# Altium PCB IndoorPositioning PCB v1.2.PcbDoc
Units mm, origin at the board's own origin, x right, y up, seen from the top; angles counter-clockwise.
Board outline 48.13 x 31.12 mm, 2 copper layers (Top Layer, Bottom Layer); 61 components, 57 nets, 273 pads, 117 vias.
Unrouted connection lines stored in the file: 138.
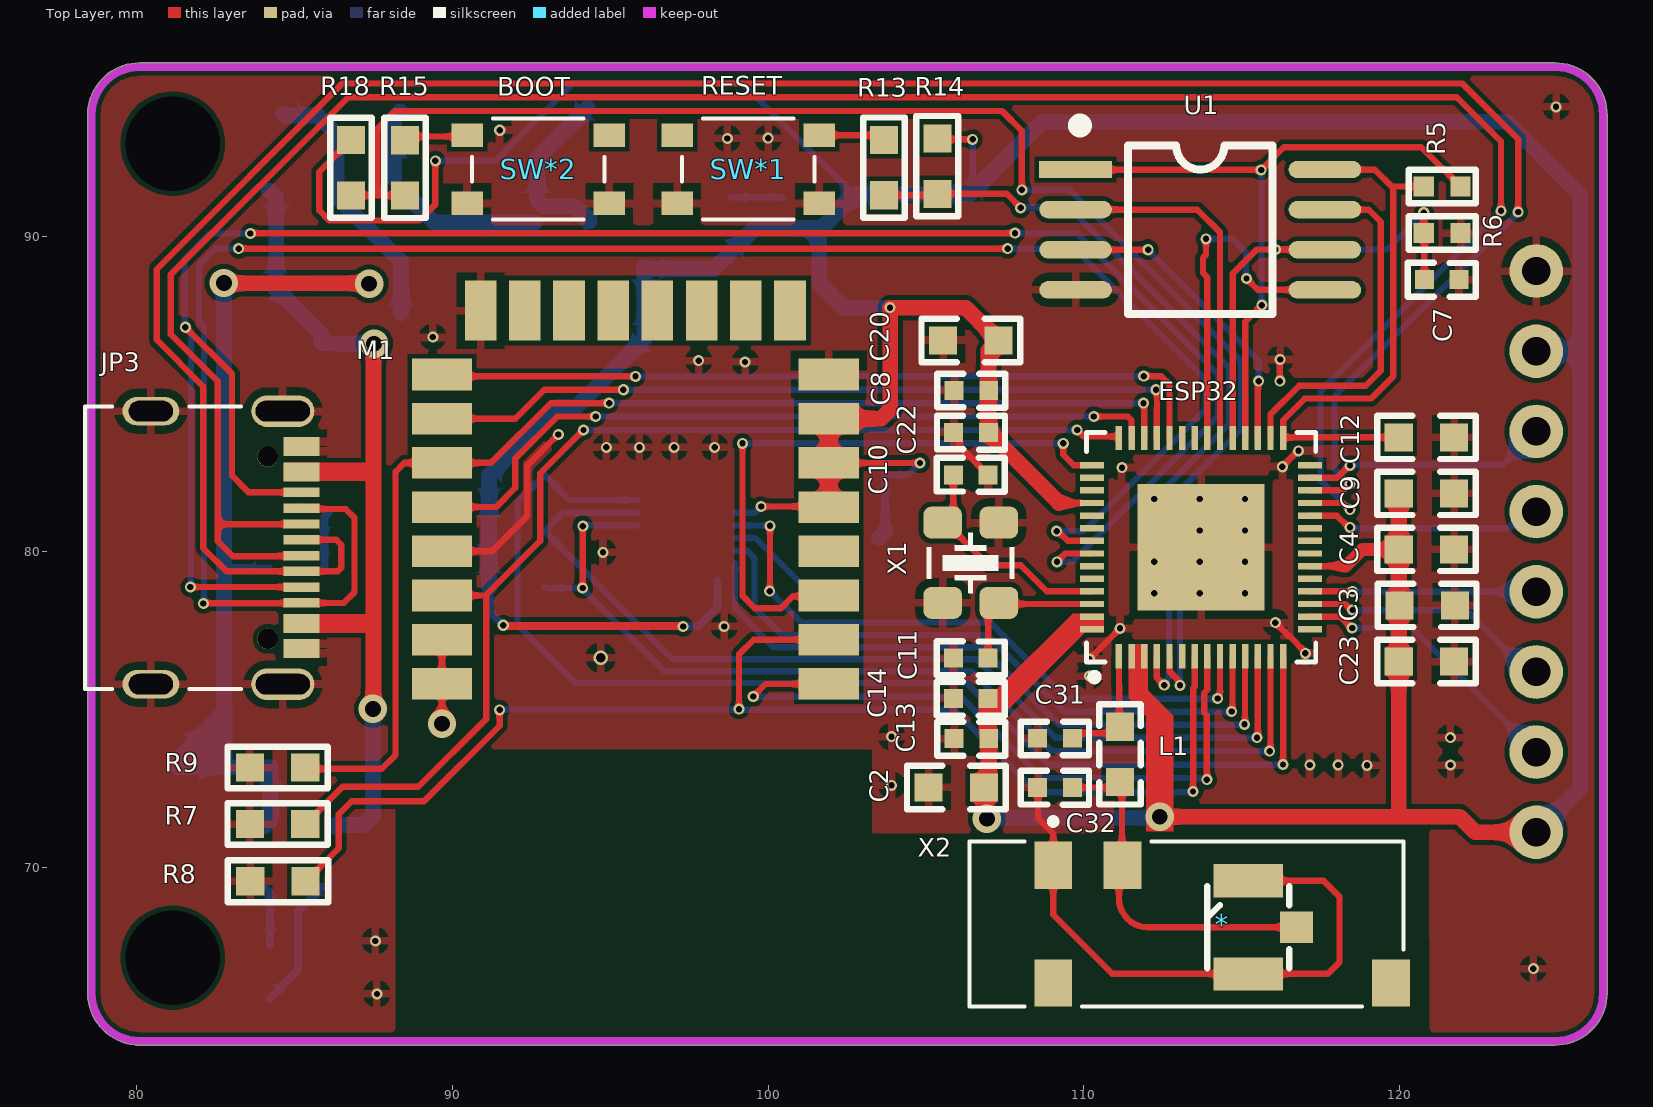
[diagram p0: Top Layer view]
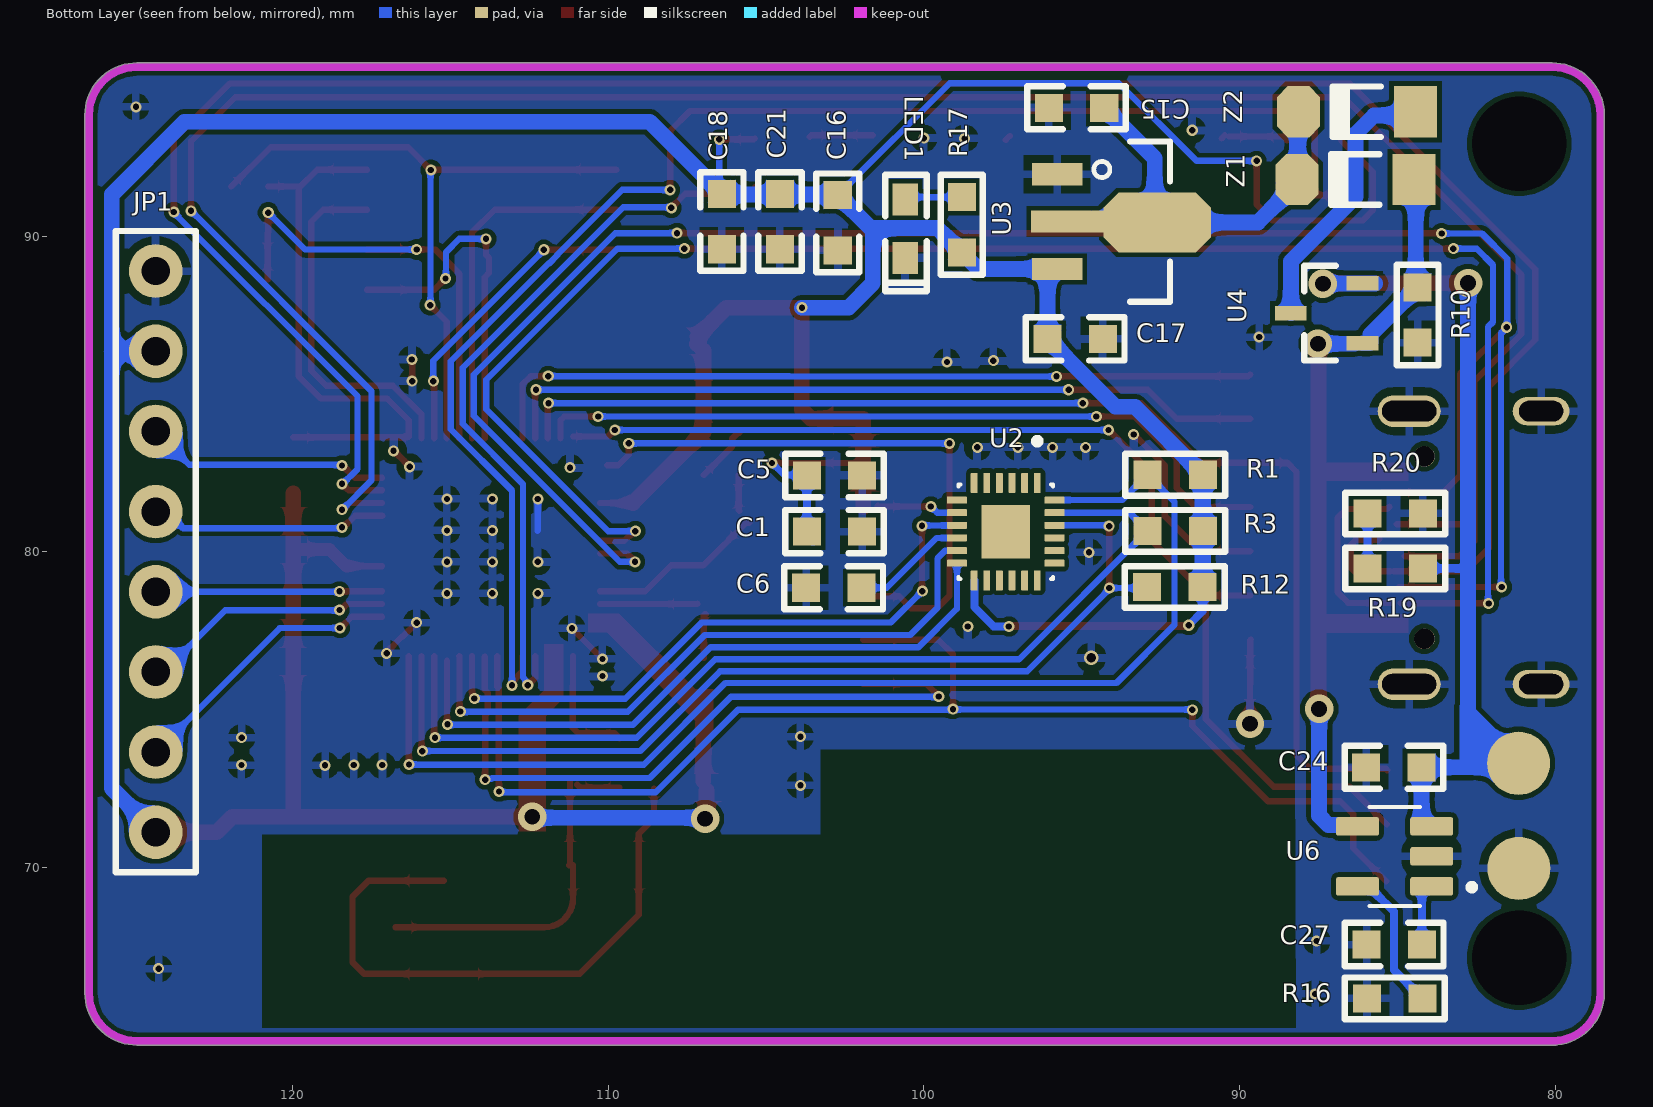
[diagram p1: Bottom Layer view, seen from below]

## Layer stack, top to bottom
Top Solder: solder mask 0.0102, Solder Resist, Dk 3.5
Top Layer: signal copper 0.0356
Dielectric 1: dielectric 0.32, FR-4, Dk 4.8
Bottom Layer: signal copper 0.0356
Bottom Solder: solder mask 0.0102, Solder Resist, Dk 3.5

## Board outline
78.454,65.855 ccw(c80.096,66.03) 79.922,64.388 79.969,64.378 124.927,64.378 ccw(c124.927,66.03) 126.579,66.03 126.579,93.843 ccw(c124.927,93.843) 124.927,95.494 80.096,95.494 ccw(c80.096,93.843) 78.445,93.843

## Design rules (kind name [scope] priority, off if disabled: settings)
Clearance [All] p1: gap=0.15 ignorepadtopadclearanceinfootprint=FALSE
ComponentClearance [All] p1 off: gap=0.254 collisioncheckmode=3 verticalgap=0.254 showdistances=FALSE
PolygonConnect PolygonConnect_2 [All vs IsNamedPolygon('GND_L01_P001') Or IsNamedPolygon('GND_L01_P001')] p1: connectstyle=Relief reliefconductorwidth=0.254 reliefentries=4 polygonreliefangle="90 Angle" airgapwidth=0.254
PolygonConnect PolygonConnect_1 [All vs IsNamedPolygon('GND_L01_P001') Or IsNamedPolygon('GND_L01_P001')] p2: connectstyle=Relief reliefconductorwidth=0.254 reliefentries=4 polygonreliefangle="90 Angle" airgapwidth=0.254
PolygonConnect [All] p3: connectstyle=Relief reliefconductorwidth=0.254 reliefentries=4 polygonreliefangle="90 Angle" airgapwidth=0.254
RoutingVias [All] p1: holewidth=0.2 width=0.35 viastyle="Through Hole" minholewidth=0.2 minwidth=0.35 maxholewidth=0.5 maxwidth=0.9
SolderMaskExpansion [All] p1: expansion=0.102 istentingtop=FALSE
Width [All] p1: maxlimit=1 minlimit=0.2 preferedwidth=0.254
29 further rules are at their usual default settings.

## Components (designator, comment, footprint, x,y, rotation, side; value= is the part's Value field where it differs from the comment)
* "PRO-OB-440" PRO-OB-440 113.435,68.366 r90 top
C1 "0.1uF" "C 0603" 102.845,80.645 r0 bottom
C2 "10uF" "C 0603" 105.95,72.54 r180 top
C3 "0.1uF" "C 0603" 120.866,78.31 r180 top
C4 "0.1uF" "C 0603" 120.866,80.083 r0 top
C5 "10nF" "C 0603" 102.845,82.423 r0 bottom
C6 "0.1uF" "C 0603" 102.845,78.867 r180 bottom
C7 "1uf" "C 0402" 121.34,88.63 r180 top
C8 "0.1uF" "C 0402" 106.44,85.12 r180 top
C9 "0.1uF" "C 0603" 120.841,81.857 r180 top
C10 "=Value" "C 0402" 106.42,82.44 r0 top
C11 "=Value" "C 0402" 106.42,76.64 r180 top
C12 "10uF" "C 0603" 120.841,83.63 r180 top
C13 "1uf" "C 0402" 106.44,74.09 r180 top
C14 "10nF" "C 0402" 106.42,75.36 r180 top
C15 "1uF" "C 0603" 95.15,94.07 r180 bottom
C16 "1uF" "C 0603" 102.73,90.44 r90 bottom
C17 "1uF" "C 0603" 95.22,86.75 r0 bottom
C18 "1uF" "C 0603" 104.56,90.48 r90 bottom
C20 "10uF" "C 0603" 106.41,86.7 r180 top
C21 "1uF" "C 0603" 106.4,90.48 r90 bottom
C22 "0.1uF" "C 0402" 106.43,83.79 r180 top
C23 "1uF" "C 0603" 120.866,76.53 r0 top
C24 "1uF" "C 0603" 85.1,73.18 r180 bottom
C27 "1uF" "C 0603" 85.09,67.564 r180 bottom
C31 "=Value" "C 0402" 109.09,74.1 r180 top (schematic designator C?)
C32 "=Value" "C 0402" 109.09,72.54 r180 top (schematic designator C?)
ESP32 "U?" "ESP32-S3 CHIP" 113.816,80.431 r90 top (schematic designator ESP1)
JP1 "HDR-1X8" HDR-1X8_M 124.333,71.12 r90 bottom
JP3 "USB-C" USB-C-RIGHT 81.28,80.391 r270 top
L1 "?uH" "L 0603" 111.15,73.6 r90 top (schematic designator L?)
LED1 "LED-SMD" "LED 0603R" 100.59,90.24 r270 bottom
M1 "DWM1000" DWM1000 96.226,76.327 r180 top
R1 "10K" "R 0603" 92.052,82.448 r0 bottom
R3 "10K" "R 0603" 92.052,80.67 r0 bottom
R5 "10K" "R 0402" 121.352,91.57 r0 top
R6 "10K" "R 0402" 121.357,90.11 r180 top
R7 "10K" "R 0603" 84.45,71.38 r180 top
R8 "10K" "R 0603" 84.46,69.57 r180 top
R9 "10K" "R 0603" 84.45,73.17 r180 top
R10 "10K" "R 0603" 84.36,87.52 r90 bottom
R12 "10K" "R 0603" 92.065,78.892 r0 bottom
R13 "1K" "R 0603-HP" 103.67,92.19 r90 top
R14 "10K" "R 0603-HP" 105.36,92.21 r270 top
R15 "1K" "R 0603-HP" 88.5,92.18 r90 top
R16 "1.65K" "R 0603" 85.1,65.86 r0 bottom
R17 "1K" "R 0603-HP" 98.8,90.376 r90 bottom
R18 "10K" "R 0603-HP" 86.79,92.16 r270 top
R19 "10K" "R 0603" 85.055,79.48 r180 bottom
R20 "10K" "R 0603" 85.08,81.22 r0 bottom
SW*1 "3x3x1.5" "TSW SMD-3*3" 99.37,92 r0 top
SW*2 "3x3x1.5" "TSW SMD-3*3" 92.72,91.998 r0 top
U1 "W25Qxx" SOP8W_N 113.689,90.21 r0 top
U2 "MPU9250" QFN40P300X 97.739,80.696 r270 bottom
U3 "RT9166A" SOT89_M 93.728,90.465 r270 bottom
U4 "IRLML6402" SOT23-3L 87.25,87.563 r90 bottom
U6 "LTC4054" SOT25-5L 85.09,70.358 r0 bottom
X1 "40M" XTAL-3225-4 106.42,79.66 r90 top
X2 "u.Fl" "u.Fl 3P" 115.213,68.112 r90 top
Z1 "US1NWF-7" DO-213AA 86.33,91.8 r0 bottom
Z2 "US1NWF-7" DO-213AA 86.28,93.945 r0 bottom

## Footprints (in the part's own frame and the unit in brackets; to place one, negate y for a bottom-side part, rotate by r counter-clockwise, add the part's x,y. Pads: shape width x height; smd on the part's side, far side on the other; paste and mask are expansions set on the pad)
"C 0402" [mm] "ï¿½Þ¼ï¿½ï¿½ï¿½ï¿½ï¿½Æ¬ï¿½ï¿½ï¿½ï¿½"
  rect 0.6x0.6 smd: 1(-0.55,0) 2(0.55,0)
  silkscreen extent -1.08,-0.53 1.08,0.55, body extent -0.5,-0.26 0.5,0.26, height 0.51
"C 0603" [mil] "ï؟½ق¼ï؟½ï؟½ï؟½ï؟½ï؟½ئ¬ï؟½ï؟½ï؟½ï؟½"
  rect 35x35 smd: 1(-35,0) 2(34,0)
  silkscreen extent -62,-27 61,27, body extent -31,-16 31,16, height 32
DO-213AA [mm] "1.5*3.5mm(Ö±¾¶£¬½Å¾à£©"
  rect 1.37x1.62 smd: 1(-1.855,0)
  oct 1.37x1.62 smd: 2(1.855,0)
  silkscreen extent -0.76,-0.8 0.78,0.8, body extent -1.75,-0.75 1.75,0.75, height 1.53
DWM1000 [mm]
  rect 1.905x1 smd: 1(-5.696,0.505) 2(-5.696,-0.895) 3(-5.696,-2.295) 4(-5.696,-3.695) 5(-5.696,-5.095) 6(-5.696,-6.495) 7(-5.696,-7.895) 8(-5.696,-9.295) 17(6.559,-9.295) 18(6.559,-7.895) 19(6.559,-6.495) 20(6.559,-5.095) 21(6.559,-3.695) 22(6.559,-2.295) 23(6.559,-0.895) 24(6.559,0.505)
  rect 1x1.905 smd: 9(-4.468,-11.318) 10(-3.068,-11.318) 11(-1.668,-11.318) 12(-0.268,-11.318) 13(1.132,-11.318) 14(2.532,-11.318) 15(3.932,-11.318) 16(5.332,-11.318)
  body extent -6.19,-11.89 7.01,11.11, height 2.9
"ESP32-S3 CHIP" [mil]
  rect 30x8 smd paste+0 mask+0: 1(-147,106.36) 2(-147,90.61) 3(-147,74.87) 4(-147,59.12) 5(-147,43.37) 6(-147,27.62) 7(-147,11.87) 8(-147,-3.87) 9(-147,-19.62) 10(-147,-35.37) 11(-147,-51.12) 12(-147,-66.87) 13(-147,-82.61) 14(-147,-98.36) 29(125,-98.36) 30(125,-82.61) 31(125,-66.87) 32(125,-51.12) 33(125,-35.37) 34(125,-19.62) 35(125,-3.87) 36(125,11.87) 37(125,27.62) 38(125,43.37) 39(125,59.12) 40(125,74.87) 41(125,90.61) 42(125,106.36)
  rect 8x30 smd paste+0 mask+0: 15(-113.36,-132) 16(-97.61,-132) 17(-81.87,-132) 18(-66.12,-132) 19(-50.37,-132) 20(-34.62,-132) 21(-18.87,-132) 22(-3.13,-132) 23(12.62,-132) 24(28.37,-132) 25(44.12,-132) 26(59.87,-132) 27(75.61,-132) 28(91.36,-132) 43(91.36,140) 44(75.61,140) 45(59.87,140) 46(44.12,140) 47(28.37,140) 48(12.62,140) 49(-3.13,140) 50(-18.87,140) 51(-34.62,140) 52(-50.37,140) 53(-66.12,140) 54(-81.87,140) 55(-97.61,140) 56(-113.36,140)
  rect 158x158 smd paste-78.5 mask+0: 57(-11,4)
  silkscreen extent -177,-139 132,147, body extent -150,-135 128,143, height 35
HDR-1X8_M [mm] "ï؟½ï؟½ؤ¸ï؟½ï؟½8ï؟½ï؟½"
  round 1.7 hole 0.9: 1(0,0) 2(2.54,0) 3(5.08,0) 4(7.62,0) 5(10.16,0) 6(12.7,0) 7(15.24,0) 8(17.78,0)
  silkscreen extent -1.27,-1.27 19.05,1.27, body extent -1.27,-1.27 19.05,1.27, height 8.5
"L 0603" [mil] "Ð¡¹¦ÂÊÌùÆ¬µç¸Ð"
  rect 35x35 smd: 1(-35,0) 2(34,0)
  silkscreen extent -63,-26 62,26, body extent -31,-16 31,16, height 31
"LED 0603R" [mm] "ï؟½ï؟½ة«0603LED"
  rect 1.016x0.8 smd: 1(-0.927,0) 2(0.927,0)
  silkscreen extent -1.71,-0.63 1.98,0.69, body extent -0.8,-0.4 0.8,0.4, height 0.61
PRO-OB-440 [mm]
  rect 1.5x1.2 smd: 1(1.713,4.403) 2(1.713,2.203) 3(-2.017,4.403) 4(-2.017,-6.297)
  Multi-Layer pour cut-out: -3.317,5.528 -3.317,3.278 -0.717,3.278 -0.717,5.528
  Multi-Layer pour cut-out: 0.663,3.103 0.663,1.303 2.763,1.303 2.763,3.103
  Multi-Layer pour cut-out: -3.417,-5.072 -3.417,-7.522 -0.617,-7.522 -0.617,-5.072
  silkscreen extent -2.77,-6.7 3.2,7.05, body extent -2.77,-6.7 2.46,7.05, height 3.53
QFN40P300X [mm]
  rrect25% 0.64x0.22 smd: 1(-1.494,1.33) 2(-1.494,0.93) 3(-1.494,0.53) 4(-1.494,0.13) 5(-1.494,-0.27) 6(-1.494,-0.67) 13(1.596,-0.67) 14(1.596,-0.27) 15(1.596,0.13) 16(1.596,0.53) 17(1.596,0.93) 18(1.596,1.33)
  rrect25% 0.22x0.64 smd: 7(-0.949,-1.215) 8(-0.549,-1.215) 9(-0.149,-1.215) 10(0.251,-1.215) 11(0.651,-1.215) 12(1.051,-1.215) 19(1.051,1.875) 20(0.651,1.875) 21(0.251,1.875) 22(-0.149,1.875) 23(-0.549,1.875) 24(-0.949,1.875)
  rect 1.7x1.54 smd paste-2: 25(0.051,0.33)
  silkscreen extent -2.91,-1.17 1.55,1.83, body extent -1.45,-1.17 1.55,1.83, height 1
"R 0402" [mm] "1/16Wï¿½ï¿½Æ¬ï¿½ï¿½ï¿½ï¿½"
  rect 0.635x0.635 smd: 1(-0.582,0.007) 2(0.587,0.007)
  silkscreen extent -1.06,-0.53 1.06,0.54, body extent -0.5,-0.24 0.5,0.26, height 0.3
"R 0603" [mil] "1/10Wï¿½ï¿½Æ¬ï¿½ï¿½ï¿½ï¿½"
  rect 35x35 smd: 1(-35,0) 2(34,0)
  silkscreen extent -63,-26 62,26, body extent -31,-16 31,16, height 16
"R 0603-HP" [mil] "1/10Wï¿½ß¾ï¿½ï¿½ï¿½ï¿½ï¿½Æ¬ï¿½ï¿½ï¿½ï¿½"
  rect 35x35 smd: 1(-35,0) 2(34,0)
  silkscreen extent -63,-26 62,26, body extent -31,-16 32,16, height 16
SOP8W_N [mm] "5.3*8.3*1.8mm£¨³¤؟ي¸ك£©"
  rect 2.3x0.55 smd: 1(-3.95,1.905)
  oval 2.3x0.55 smd: 2(-3.95,0.635) 3(-3.95,-0.635) 4(-3.95,-1.905) 5(3.95,-1.905) 6(3.95,-0.635) 7(3.95,0.635) 8(3.95,1.905)
  silkscreen extent -3.94,-2.67 2.29,3.43, body extent -3.94,-2.64 3.94,2.64, height 1.9
SOT23-3L [mm] "3x1.3x1mm(ï¿½ï¿½ï¿½ï¿½ï¿½)"
  rect 0.45x1 smd: 1(-0.95,-1.143) 2(0.95,-1.143) 3(0,1.125)
  silkscreen extent -1.5,-0.3 1.5,0.7, body extent -1.5,-1.2 1.5,1.2, height 1.05
SOT25-5L [mm]
  rrect25% 1.36x0.59 smd: 1(-1.175,0.95) 2(-1.175,0) 3(-1.175,-0.95) 4(1.175,-0.95) 5(1.175,0.95)
  silkscreen extent -2.54,-1.57 0.8,1.57, body extent -1.4,-1.45 1.4,1.45, height 1.45
SOT89_M [mm] "4.6x4.3x1.6mm(ï¿½ï¿½ï¿½ï¿½ï¿½)"
  rect 0.7x1.6 smd: 1(-1.5,-2.054) 3(1.5,-2.054)
  rect 0.7x2.4 smd: 2(0,-1.676)
  oct 1.9x3.4 smd: 2(0.025,1.118)
  silkscreen extent -2.54,-0.89 2.54,1.52, body extent -2.3,-2.4 2.3,1.9, height 1.6
"TSW SMD-3*3" [mm]
  rect 1x0.75 smd: 1(-2.25,-0.948) 1(2.25,-0.948) 2(-2.25,1.202) 2(2.25,1.202)
  silkscreen extent -2.1,-1.47 2.1,1.73, body extent -2.25,-1.47 2.25,1.73, height 2.5
"u.Fl 3P" [mm]
  rect 1.05x2.2 smd: G(-1.475,0) G(1.475,0)
  rect 1x1.05 smd: S(0,-1.525)
  silkscreen extent -1.3,-1.3 1.3,1.3, body extent -1.5,-1.55 1.5,1.55, height 1.23
USB-C-RIGHT [mm]
  rect 0.3x1.14 smd: A1(-3.096,3.937) A4(-2.296,3.937) A5(-0.996,3.937) A6(0.004,3.937) A7(0.504,3.937) A8(1.504,3.937) A9(2.804,3.937) A12(3.604,3.937) B1(3.304,3.937) B4(2.504,3.937) B5(2.004,3.937) B6(1.004,3.937) B7(-0.496,3.937) B8(-1.496,3.937) B9(-1.996,3.937) B12(-2.796,3.937)
  oval 1x2 hole 0.65 slot 1.72 at 90 deg: S1(-4.071,3.347) S2(4.579,3.347)
  oval 0.9x1.8 hole 0.65 slot 1.4 at 90 deg: S3(-4.071,-0.833) S4(4.579,-0.833)
  round 0.65 hole 0.65 unplated: ""(-2.636,2.867) ""(3.144,2.867)
  silkscreen extent -4.22,-2.92 4.72,2.03, body extent -4.22,-3.36 4.72,4.39, height 3.26
XTAL-3225-4 [mil]
  rrect50% 40x48 smd: 1(-50,-35) 2(50,-35) 3(50,35) 4(-50,35)
  silkscreen extent -38,-54 38,54, body extent -63,-49 63,49, height 41

## Part data
C1 C2 C3 C4 C5 C6 C7 C8 C9 C10 C11 C12 C13 C14 C15 C16 C17 C18 C20 C21 C22 C23 C24 C27 C31 C32: library part C, "Non-polar patch capacitor", BOM名称=无极性贴片电容, 学习资源=www.ooocke.com, 版权归属=源创客
ESP32: library part "ESP32-S3 CHIP"
JP1: library part "Header 8", "8P Connector", BOM名称=8P接插件, 学习资源=www.ooocke.com, 版权归属=源创客
JP3: library part USB-C-RIGHT
L1: library part L, "Low power chip inductor", BOM名称=小功率贴片电感, 学习资源=www.ooocke.com, 版权归属=源创客
LED1: "Patch LED", BOM名称=贴片LED, 学习资源=www.ooocke.com, 版权归属=源创客
R1 R3 R5 R6 R7 R8 R9 R10 R12 R13 R14 R15 R16 R17 R18 R19 R20: library part R, "Chip resistor", BOM名称="Chip resistor", 学习资源=www.ooocke.com, 版权归属=源创客
SW*1 SW*2: library part "TSW 3x3", "3x3 tact switch"
U1: "External flash", BOM名称=外置Flash, 学习资源=www.ooocke.com, 版权归属=源创客
U3: library part RT9166A-33GXL
U4: "P-Channel"
U6: "Battery Charger", Type=SOT23-5
X1: library part XTAL-4, "4-Pin crystal", BOM名称=4脚晶振, 学习资源=www.ooocke.com, 版权归属=源创客
X2: library part "u.Fl 3P", "RF", Manufacturer="Hirose Electric Co Ltd", Model=U.FL-R-SMT(01)
Z1 Z2: library part 1N4106, "12V/0.5W voltage regulator", BOM名称=12V/0.5W稳压管, 学习资源=www.ooocke.com, 版权归属=源创客

## Free pads (board coordinates)
  round 1.524 hole 3: 7(81.139,67.149) 7(81.139,92.93)
  round 2 smd far side: 8(81.153,69.977) 8(81.163,73.307)

## Via types
v1: diameter 0.35, hole 0.2, Top Layer to Bottom Layer, tented both sides, 109 vias
v2: diameter 0.9, hole 0.5, Top Layer to Bottom Layer, tented both sides, 7 vias
v3: diameter 0.45, hole 0.3, Top Layer to Bottom Layer, tented both sides, 1 vias

## Nets (pads, with @x,y where several pads share a name; then routed paths per layer and width w, separated by ;. In a path a pad name is that pad's centre, name@x,y a point inside that pad or via, vN(x,y) a via of type N, cw(c..) or ccw(c..) an arc to the next point about the centre after c; other vN are vias at no path point)
3.3V: C1.2 C2.1 C3.2 C4.1 C5.2 C8.1 C9.2 C13.1 C14.1 C16.2 C17.2 C18.2 C20.1 C21.2 C22.1 C23.1 ESP32.2 ESP32.3 ESP32.20 ESP32.46 ESP32.55 ESP32.56 JP1.1 JP1.7 M1.5 M1.6 M1.7 R1.1 R3.1 R12.1 R14.1 R17.1 R18.1 U2.8 U2.13 U3.3 | length 168.9
  Top Layer w0.2: R18.1 85.78,92.039 85.78,90.82 86.1,90.5 88.952,90.5 89.46,91.008 v1(89.46,92.39) ; v1(91.61,77.68) v1@91.63,77.66 ; v1@97.29,77.66 v1(97.31,77.64) ; v1(99.78,81.44) 101.44,81.44 M1.5@101.46,81.46 ; M1.6@102.11,82.91 102.2,82.82 v1(104.81,82.82) ; R14.1 105.389,93.07 v1(106.48,93.07) ; C14.1@106.927,75.317 C14.1 ; 109.218,81.552 ESP32.46 ; ESP32.56 ESP32.55 ; ESP32.20 118.302,79.552
  Top Layer w0.254: v1@91.63,77.66 v1@97.29,77.66
  Top Layer w0.4: 118.302,79.552 118.83,80.08 C4.1@119.96,80.08
  Top Layer w0.5: M1.5 M1.6 ; M1.6@101.922,82.91 M1.7@101.922,84.108 ; M1.7 103.577,84.222 103.87,84.515 103.87,87.73 v1(103.86,87.74) 106.259,87.74 C20.1@107.179,86.82 ; C2.1@106.88,72.45 106.884,72.446 106.884,71.596 v2(106.93,71.55) ; C13.1@106.97,74.09 C14.1 ; C2.1@106.99,72.735 C13.1 ; C20.1@107.189,86.59 106.98,86.381 C22.1 109.218,81.552 ; v2(112.41,71.61) 121.91,71.61 122.4,71.12 JP1.1 ; C23.1 119.977,71.743 120.06,71.66 ; C23.1@119.977,76.583 C9.2
  Bottom Layer w0.2: v1(89.46,92.39) 91.364,92.39 93.824,94.85 99.184,94.85 102.614,91.42 C16.2@102.65,91.42 ; R12.1@91.17,78.68 R12.1@91.22,78.73 ; U2.13@98.404,79.095 U2.13 ; U2.8 99.574,81.245 99.769,81.44 v1(99.78,81.44) ; C5.2 103.726,82.44 104.43,82.44 v1(104.81,82.82) ; v1(106.48,93.07) 106.48,91.44 106.488,91.432 C21.2@106.49,91.43
  Bottom Layer w0.254: R12.1@91.17,78.68 91.17,78.12 v1(91.61,77.68) ; v1(97.31,77.64) 97.79,77.64 98.404,78.255 U2.13@98.404,79.095 ; C1.2@103.709,80.701 C5.2
  Bottom Layer w0.5: R12.1 91.163,78.904 R1.1 93.314,84.599 93.932,84.599 C17.2@95.954,86.62 ; U3.3@96.06,89.01 96.084,88.986 U3.3@96.084,88.965 ; C17.2 U3.3@96.084,88.965 ; R17.1@98.691,89.379 98.278,88.965 U3.3@96.084,88.965 ; R17.1@98.71,89.36 98.71,89.397 R17.1 99.572,90.259 101.62,90.259 ; C16.2 101.685,90.259 101.62,90.259 ; C16.2@102.75,91.324 C21.2@106.206,91.324 ; C1.2@103.514,80.45 C1.2 ; C1.2@103.709,80.701 C1.2@103.71,80.7 ; v1(103.86,87.74) 102.39,87.74 101.62,88.51 101.62,90.259 ; C21.2 108.686,93.63 123.42,93.63 125.73,91.32 125.73,86.36 ; v2(106.93,71.55) 106.96,71.58 112.38,71.58 v2(112.41,71.61) ; JP1.7 125.73,86.36 ; JP1.1@124.58,71.02 124.58,71.367 125.73,72.517 125.73,86.36
5VUSB: JP3.A4 JP3.A9 JP3.B4 JP3.B9 R10.2 U4.1 U6.4 Z1.1 | length 23.3
  Top Layer w0.5: v2(87.48,75.03) 87.5,75.05 87.5,86.58 v2(87.52,86.6)
  Bottom Layer w0.5: Z1.1@84.17,91.44 84.217,91.44 84.417,91.24 84.417,88.441 R10.2 85.857,86.886 85.857,86.638 85.882,86.613 U4.1 ; U6.4 86.31,71.353 87.187,71.353 87.48,71.646 v2(87.48,75.03) ; U4.1@86.357,86.6 v2(87.52,86.6)
BAT_ADC: R19.1 R20.2 | length 1.8
  Bottom Layer w0.254: R19.1 85.944,81.104 R20.2@86.09,81.25
DIS_CLK: ESP32.27 JP1.6 | length 7.8
  Top Layer w0.2: ESP32.27 118.022,82.352 118.41,82.74 v1(118.431,82.74)
  Bottom Layer w0.2: v1@118.422,82.76 123.273,82.76 JP1.6
DIS_CS: ESP32.16 JP1.2 | length 9
  Top Layer w0.2: ESP32.16 117.17,77.95 118.119,77.95 118.479,77.59 v1(118.5,77.59)
  Bottom Layer w0.2: v1@118.476,77.59 120.403,77.59 JP1.2
DIS_DATA: ESP32.24 JP1.5 | length 7.5
  Top Layer w0.2: ESP32.24@117.151,81.152 118.019,81.152 118.391,80.78 v1(118.431,80.78)
  Bottom Layer w0.2: v1@118.5,80.751 123.466,80.751 123.995,81.28 JP1.5
DIS_DC: ESP32.17 JP1.3 | length 8.1
  Top Layer w0.2: ESP32.17 118.278,78.352 118.469,78.16 v1(118.51,78.16)
  Bottom Layer w0.2: v1@118.503,78.15 122.129,78.15 124.079,76.2 JP1.3
DIS_RES: ESP32.18 JP1.4 | length 7.1
  Top Layer w0.2: ESP32.18 v1(118.515,78.752)
  Bottom Layer w0.2: v1@118.623,78.74 JP1.4
DWM_CLK: ESP32.41 M1.20 | length 24.2
  Top Layer w0.2: M1.20 91.382,81.422 91.99,82.03 91.99,82.96 93.32,84.29 v1(94.536,84.29) ; v1(110.32,84.29) 111.397,84.29 111.514,84.173 ESP32.41
  Bottom Layer w0.2: v1(94.536,84.29) v1(110.32,84.29)
DWM_CS: ESP32.38 M1.17 | length 24.9
  Top Layer w0.2: M1.17 89.724,85.565 v1(95.8,85.565) ; v1(111.9,85.57) 112.46,85.57 112.714,85.316 ESP32.38
  Bottom Layer w0.2: v1(95.8,85.565) 95.864,85.565 95.869,85.56 104.252,85.56 104.262,85.57 v1(111.9,85.57)
DWM_EXTON: ESP32.8 M1.1 | length 22
  Top Layer w0.2: v1(99.53,75.425) 99.925,75.82 101.919,75.82 M1.1 ; v1(113.9,72.79) 113.9,74.83 113.815,74.915 113.815,75.536 113.913,75.634 ESP32.8@113.913,76.69
  Bottom Layer w0.2: v1(99.53,75.425) 99.545,75.41 106.11,75.41 108.68,72.84 113.676,72.84 113.697,72.819 113.871,72.819 v1(113.9,72.79)
DWM_IO0: M1.15
DWM_IO1: M1.14
DWM_IO2: M1.13
DWM_IO3: M1.12
DWM_IO4: M1.11
DWM_IO5: M1.10
DWM_IO6: M1.9
DWM_IO7: M1.4
DWM_IRQ: ESP32.42 M1.22 R7.1 | length 36
  Top Layer w0.2: R7.1 86.519,72.56 88.92,72.56 91.07,74.71 91.07,78.64 92.78,80.35 92.78,82.495 v1(94.15,83.865) ; M1.22 91.055,78.622 ; v1(109.79,83.865) 109.995,83.66 ESP32.42@111.116,83.66
  Bottom Layer w0.2: v1(94.15,83.865) v1(109.79,83.865)
DWM_MISO: ESP32.40 M1.19 R9.1 | length 37.8
  Top Layer w0.2: R9.1@85.32,73.09 85.36,73.13 87.76,73.13 88.2,73.57 88.2,82.54 88.482,82.822 M1.19 91.222,82.822 93.115,84.715 v1(94.965,84.715) ; v1(111.893,84.715) 111.914,84.693 ESP32.40
  Bottom Layer w0.2: v1(94.965,84.715) v1(111.893,84.715)
DWM_MOSI: ESP32.39 M1.18 | length 24.5
  Top Layer w0.2: M1.18 91.992,84.222 92.91,85.14 v1(95.415,85.14) ; v1(112.289,85.14) 112.318,85.112 112.318,84.539 112.314,84.536 ESP32.39
  Bottom Layer w0.2: v1(95.415,85.14) v1(112.289,85.14)
DWM_RSTN: ESP32.43 M1.3 | length 19.2
  Top Layer w0.2: v1(99.19,83.44) 99.19,78.61 99.58,78.22 100.41,78.22 100.786,78.596 101.896,78.596 M1.3 ; v1(109.35,83.44) 109.35,83.08 109.68,82.75 ESP32.43@110.03,82.75
  Bottom Layer w0.2: v1(99.19,83.44) v1(109.35,83.44)
DWM_WAKEUP: ESP32.7 M1.2 R8.1 | length 41.5
  Top Layer w0.2: R8.1 86.4,70.621 86.4,71.69 86.81,72.1 89.1,72.1 91.495,74.495 v1(91.495,75) ; v1(99.08,75.02) 99.08,76.76 99.542,77.222 M1.2 ; v1(113.46,72.415) 113.465,72.42 113.465,75.681 113.514,75.73 ESP32.7
  Bottom Layer w0.2: v1(91.495,75) 91.505,75.01 99.07,75.01 v1(99.08,75.02) 99.1,75 105.89,75 108.5,72.39 113.435,72.39 v1(113.46,72.415)
ESP_EN: ESP32.4 R13.1 R14.2 | length 25.3
  Top Layer w0.2: R13.1 105.101,91.301 R14.2@105.351,91.551 ; R14.2 107.563,91.346 108,90.909 v1(108,90.9) ; ESP32.4 112.314,76.016 112.549,75.781 v1(112.549,75.779)
  Bottom Layer w0.2: v1(108,90.9) 108.02,90.92 109.529,90.92 114.61,85.839 114.61,84.06 112.699,82.149 112.699,76.026 112.624,75.951 112.624,75.895 112.549,75.82 v1(112.549,75.779)
ESP_IO0: ESP32.5 R15.1 R18.2 | length 47.9
  Top Layer w0.2: R18.2 87.62,91.296 ; R15.1@88.454,91.296 87.62,91.296 ; v1(108.04,91.47) 108.04,93.34 107.41,93.97 88.184,93.97 87.62,93.406 87.62,91.296 ; ESP32.5 112.716,76.696 112.716,76.214 113.021,75.909 113.021,75.804 v1(113.049,75.775)
  Bottom Layer w0.2: v1(108.04,91.47) 109.559,91.47 111.613,89.416 111.613,89.399 111.862,89.15 111.879,89.15 114.99,86.039 114.99,83.89 113.049,81.949 v1(113.049,75.775)
ESP_RXD: ESP32.50 JP3.A8 JP3.B8 | length 66.2
  Top Layer w0.2: v1(81.54,87.12) 83.02,85.64 83.02,82.41 83.54,81.89 JP3.B8@85.46,81.89 ; v1(81.7,78.89) 81.701,78.889 JP3.A8@84.939,78.889 ; v1(83.6,90.09) 83.61,90.09 83.62,90.1 v1(107.82,90.1) ; v1(109.15,79.69) 109.412,79.952 ESP32.50
  Bottom Layer w0.2: v1@81.52,87.123 81.52,89.29 82.32,90.09 v1(83.6,90.09) ; v1(81.54,87.12) 81.54,87.108 81.72,86.928 81.72,78.91 v1(81.7,78.89) ; v1(107.82,90.1) 109.779,90.1 114.26,85.619 114.26,84.32 109.63,79.69 v1(109.15,79.69)
ESP_TXD: ESP32.49 JP3.A5 JP3.B5 | length 61.9
  Top Layer w0.2: v1(82.11,78.37) 82.119,78.379 84.885,78.379 JP3.B5@84.893,78.387 ; v1(83.23,89.61) v1(107.59,89.61) ; JP3.B5 86.557,78.387 86.9,78.73 86.9,81.08 86.62,81.36 85.32,81.36 JP3.A5@85.25,81.43 ; v1(109.14,80.66) 109.181,80.66 109.489,80.352 ESP32.49
  Bottom Layer w0.2: v1(82.11,78.37) 82.13,78.39 82.13,87.13 81.973,87.287 81.973,89.093 82.49,89.61 v1(83.23,89.61) ; v1(107.59,89.61) 109.709,89.61 113.86,85.459 113.86,84.52 110,80.66 v1(109.14,80.66)
GND: *.1 C1.1 C2.2 C3.1 C4.2 C5.1 C6.1 C7.1 C8.2 C9.1 C10.2 C11.2 C12.1 C13.2 C14.2 C15.1 C16.1 C17.1 C18.1 C20.2 C21.1 C22.2 C23.2 C24.1 C27.1 C31.2 C32.2 ESP32.57 JP1.8 JP3.A1 JP3.A12 JP3.B1 JP3.B12 JP3.S1 JP3.S2 JP3.S3 JP3.S4 LED1.2 M1.8 M1.16 M1.21 M1.23 M1.24 pad.8@81.153,69.977 R6.1 R7.2 R8.2 R9.2 R10.1 R16.2 R20.1 SW*1.1 SW*2.1 U1.4 U3.1 U6.2 X1.2 X1.4 X2.G | length 35.3
  Top Layer w0.2: M1.23@89.64,77.23 89.667,77.203 M1.24 89.67,75.819 v2(89.67,74.56) ; M1.21 91.252,80.022 92.37,81.14 92.37,82.739 v1(93.356,83.724) ; C22.2@105.85,83.78 105.89,83.78 106.08,83.59 106.08,83.33 C10.2 ; C32.2@108.55,72.5 108.55,71.56 109.032,71.078 109.032,68.508 110.903,66.637 115.213,66.637 117.737,66.637 118.1,67 118.1,69.08 117.593,69.587 X2.G@115.213,69.587 ; v1(110.184,76.611) v1(110.184,76.611) v1(111.15,77.58) v1(111.15,77.58) ; v1@116.088,77.76 v1(116.07,77.76) 116.502,77.328 116.52,77.328 117.02,76.828 v1(117.02,76.79) ; v1(116.21,85.41) v1@116.21,86.17 ; v1(116.29,82.7) 116.281,82.7 116.786,83.205 v1(116.8,83.205) ; 116.898,76.95 116.91,76.95
  Bottom Layer w0.2: v1(112.23,81.68) 112.23,80.68 112.24,80.67
  other v1: 87.61,66 124.24,66.8 87.56,67.68 103.91,72.61 118.97,73.24 117.16,73.25 118.06,73.25 121.62,73.25 121.61,74.12 103.91,74.15 110.184,76.071 98.61,77.64 112.23,78.69 113.67,78.69 115.11,78.69 112.23,79.687 113.67,79.687 115.11,79.687 94.77,79.99 113.67,80.683 115.11,80.683 113.67,81.68 115.11,81.68 111.21,82.67 94.876,83.314 95.926,83.314 97.026,83.314 98.306,83.314 99.27,86.02 97.8,86.06 116.22,86.1 89.38,86.81 98.71,93.1 100,93.11 91.5,93.36 124.96,94.1
  other v3: 94.7,76.65
LNA: C31.1 ESP32.1 L1.2 | length 3.9
  Top Layer w0.2: C31.1 109.8,74.26 110.947,74.26 L1.2 111.124,74.489 111.124,75.764 111.114,75.775 ESP32.1
MPU_AD0: ESP32.9 U2.9 | length 20.2
  Top Layer w0.2: v1(100.05,78.76) 100.06,78.77 v1(100.06,80.83) ; v1(114.24,75.36) 114.24,75.401 114.314,75.475 ESP32.9
  Bottom Layer w0.2: U2.9 98.962,80.837 100.053,80.837 v1(100.06,80.83) ; v1(100.05,78.76) 101.045,77.765 107.042,77.765 109.457,75.35 114.23,75.35 v1(114.24,75.36)
MPU_CS: ESP32.13 R12.2 U2.22 | length 31.9
  Top Layer w0.2: v1(94.127,78.857) v1@94.127,80.82 ; v1(115.889,73.69) 115.914,73.715 ESP32.13
  Bottom Layer w0.2: R12.2 92.963,78.857 v1(94.127,78.857) ; v1@94.061,78.889 96.73,76.22 106.457,76.22 108.982,73.695 115.884,73.695 v1(115.889,73.69) ; v1(94.13,80.82) 94.155,80.845 U2.22
MPU_FSYNC: ESP32.10 U2.11 | length 20.5
  Top Layer w0.2: v1(114.685,74.95) 114.713,74.978 114.713,76.696 ESP32.10
  Bottom Layer w0.2: U2.11 98.964,80.035 99.331,80.035 99.57,79.796 99.57,78.23 100.43,77.37 106.942,77.37 109.377,74.935 114.67,74.935 v1(114.685,74.95)
MPU_INT: ESP32.11 U2.12 | length 21.1
  Top Layer w0.2: v1(115.089,74.54) 115.11,74.561 ESP32.11@115.11,76.56
  Bottom Layer w0.2: U2.12 98.954,78.196 100.17,76.98 106.76,76.98 109.215,74.525 115.074,74.525 v1(115.089,74.54)
Net*_2: *.2 C32.1 L1.1 X2.S | length 11.2
  Top Layer w0.2: C32.1 110.89,72.54 L1.1@110.98,72.63 ; *.2@111.114,70.079 111.114,69.029 ccw(c112.031,69.029) 112.031,68.112 X2.S ; L1.1@111.21,72.72 111.21,70.101 *.2
NetC6_2: C6.2 U2.10 | length 3.7
  Bottom Layer w0.2: U2.10 99.597,80.445 101.175,78.867 C6.2
NetC10_1: C10.1 ESP32.53 X1.3 | length 6.8
  Top Layer w0.2: X1.3 105.633,80.93 106.983,79.58 108,79.58 108.828,78.752 ESP32.53 ; X1.3@105.84,81.31 105.854,81.31 105.87,81.326 C10.1
NetC11_1: C11.1 ESP32.54 X1.1 | length 4.5
  Top Layer w0.2: X1.1@106.91,78.03 106.934,78.03 106.97,77.994 C11.1 ; X1.1@107.17,78.36 107.177,78.353 110.258,78.353 ESP32.54
NetC27_2: C27.2 U6.1 | length 2
  Bottom Layer w0.2: U6.1 84.031,69.408 U6.1@84.226,69.213
  Bottom Layer w0.254: C27.2 U6.1@84.226,69.213
NetLED1_1: LED1.1 R17.2 | length 1.7
  Bottom Layer w0.2: R17.2 100.45,91.24 LED1.1@100.48,91.21
NetR13_2: R13.2 SW*1.2 | length 2.2
  Top Layer w0.2: SW*1.2@97.28,93.18 SW*1.2@97.406,93.054 ; SW*1.2@101.62,93.202 103.568,93.202 R13.2@103.62,93.15
NetR15_2: R15.2 SW*2.2 | length 2
  Top Layer w0.2: R15.2 88.616,93.16 SW*2.2@90.33,93.16 ; SW*2.2@90.47,93.2 SW*2.2@90.57,93.1
NetR16_1: R16.1 U6.5 | length 4.2
  Bottom Layer w0.254: R16.1 85.11,66.759 85.11,68.61 85.685,69.185 85.685,69.213 85.862,69.39 U6.5@85.89,69.39
NetU4_3: U4.3 Z2.1 | length 8.5
  Bottom Layer w0.5: Z2.1@84.63,93.88 84.68,93.83 85.74,93.83 86.33,93.24 86.33,91.25 88.375,89.205 U4.3
REGIN: C15.2 U3.2 Z1.2 Z2.2 | length 12.5
  Bottom Layer w0.5: Z1.2@88.16,91.825 88.16,93.78 Z2.2@88.34,93.96 ; Z1.2@88.3,91.48 88.38,91.48 89.42,90.44 U3.2@92.61,90.44 ; C15.2 92.69,92.474 92.69,91.14 92.875,90.955 93.875,90.955 U3.2@94.35,90.48
SCL: ESP32.12 R3.2 U2.23 | length 31
  Top Layer w0.2: v1(115.489,74.12) 115.514,74.145 ESP32.12
  Bottom Layer w0.2: R3.2 96.985,76.6 106.607,76.6 109.092,74.115 115.484,74.115 v1(115.489,74.12) ; R3.2@93.03,80.67 93.03,80.784 93.491,81.245 U2.23
SDA: ESP32.14 R1.2 U2.24 | length 37.9
  Top Layer w0.2: v1(116.31,73.27) 116.314,73.274 ESP32.14
  Bottom Layer w0.2: U2.24 93.718,81.645 R1.2 92.06,81.592 92.06,77.69 93.9,75.85 106.287,75.85 108.872,73.265 116.305,73.265 v1(116.31,73.27)
SPICLK: C7.2 ESP32.33 R6.2 U1.6 | length 15.8
  Top Layer w0.2: ESP32.33 114.714,88.822 115.472,89.58 v1(116.07,89.58) 116.073,89.577 117.636,89.577 U1.6 ; R6.2@120.77,90.13 v1(120.77,90.75) ; R6.2@120.78,90.13 120.79,90.12 C7.2
  Bottom Layer w0.2: v1(116.07,89.58) 119.6,89.58 v1(120.77,90.75)
SPICS0: ESP32.32 R5.2 U1.1 | length 21.7
  Top Layer w0.2: U1.1 109.747,92.108 v1@115.612,92.108 ; ESP32.32 115.114,87.294 v1(115.64,87.82) ; v1(115.62,92.1) 116.34,92.82 120.695,92.82 R5.2
  Bottom Layer w0.2: v1(115.62,92.1) 115.63,92.09 115.63,87.83 v1(115.64,87.82)
SPID: ESP32.35 U1.5 | length 11.3
  Top Layer w0.2: v1(113.87,89.92) 113.87,89.409 113.776,89.316 113.776,88.846 113.914,88.708 ESP32.35 ; v1(115.157,88.663) 115.515,88.305 U1.5
  Bottom Layer w0.2: v1(113.87,89.92) 114.72,89.92 115.139,89.501 115.139,88.681 v1(115.157,88.663)
SPIHD: ESP32.30 U1.7 | length 11.5
  Top Layer w0.2: ESP32.30 115.914,84.364 116.82,85.27 118.93,85.27 119.404,85.744 119.404,90.464 119.028,90.84 117.644,90.84 U1.7
SPIQ: ESP32.34 U1.2 | length 11.4
  Top Layer w0.2: U1.2 113.595,90.845 114.314,90.126 ESP32.34
SPIWP: ESP32.31 U1.3 | length 9.7
  Top Layer w0.2: U1.3 v1(112.038,89.575) ; ESP32.31 115.516,83.608 115.516,85.385 v1(115.541,85.41)
  Bottom Layer w0.2: v1@112.03,89.57 115.541,86.059 v1(115.541,85.41)
USB_D+: ESP32.26 JP3.A6 JP3.B6 | length 77
  Top Layer w0.2: JP3.B6@85.117,79.387 82.843,79.387 82.11,80.12 82.11,85.24 80.63,86.72 80.63,88.96 86.51,94.84 121.99,94.84 123.76,93.07 v1(123.76,90.77) ; JP3.B6 86.363,79.387 86.48,79.504 86.48,80.233 86.326,80.387 85.593,80.387 JP3.A6@85.58,80.4 ; ESP32.26 118.223,81.952 v1(118.431,82.159)
  Bottom Layer w0.2: v1(118.431,82.159) 118.41,82.159 117.94,82.629 117.94,84.93 123.76,90.75 v1(123.76,90.77)
USB_D-: ESP32.25 JP3.A7 JP3.B7 | length 74.7
  Top Layer w0.2: JP3.A7@84.77,79.87 83.04,79.87 82.57,80.34 82.57,80.88 ; JP3.B7@85.02,80.88 82.57,80.88 ; ESP32.25 118.199,81.552 v1@118.41,81.341 ; v1(123.214,90.806) 123.214,93.016 121.82,94.41 86.7,94.41 81.08,88.79 81.08,86.9 82.57,85.41 82.57,80.88
  Bottom Layer w0.2: v1(118.431,81.341) 117.5,82.272 117.5,85.091 v1(123.214,90.806)
Vbat: C24.2 pad.8@81.163,73.307 R19.2 U4.2 U6.3 | length 28.5
  Top Layer w0.5: v2(82.76,88.52) 82.77,88.51 87.35,88.51 v2(87.36,88.5)
  Bottom Layer w0.254: 82.76,79.48 R19.2
  Bottom Layer w0.5: pad.8@81.21,73.354 82.76,74.904 82.76,79.48 v2(82.76,88.52) ; pad.8@81.29,73.18 C24.2 84.236,71.503 84.041,71.308 U6.3 ; U4.2@85.7,88.507 87.353,88.507 v2(87.36,88.5)
VDD_SPI: C12.2 ESP32.29 R5.1 U1.8 | length 17.5
  Top Layer w0.2: ESP32.29@116.316,83.65 116.316,84.176 117,84.86 119.1,84.86 119.8,85.56 119.8,91.53 ; ESP32.29@116.34,83.65 116.36,83.63 C12.2 ; U1.8@117.639,92.11 119.22,92.11 119.78,91.55 ; 119.8,91.57 119.807,91.577 R5.1
pads on no net: *.3 *.4 ESP32.6 ESP32.15 ESP32.19 ESP32.21 ESP32.22 ESP32.23 ESP32.28 ESP32.36 ESP32.37 ESP32.44 ESP32.45 ESP32.47 ESP32.48 ESP32.51 ESP32.52 JP3. U2.1 U2.2 U2.3 U2.4 U2.5 U2.6 U2.7 U2.14 U2.15 U2.16 U2.17 U2.18 U2.19 U2.20 U2.21 U2.25

## Polygon pours and split planes (outlines as drawn)
GND on Top Layer "GND_L01_P001" (solid, remove dead copper, pour order 1): 78.454,65.855 ccw(c80.096,66.03) 79.922,64.388 79.969,64.378 124.927,64.378 ccw(c124.927,66.03) 126.579,66.03 126.579,93.843 ccw(c124.927,93.843) 124.927,95.494 80.096,95.494 ccw(c80.096,93.843) 78.445,93.843
GND on Bottom Layer "GND_L01_P001" (solid, remove dead copper, pour order 2): 78.454,65.855 ccw(c80.096,66.03) 79.922,64.388 79.969,64.378 124.927,64.378 ccw(c124.927,66.03) 126.579,66.03 126.579,93.843 ccw(c124.927,93.843) 124.927,95.494 80.096,95.494 ccw(c80.096,93.843) 78.445,93.843

## Keep-outs
Keep-Out Layer:
  lines w0.254: 78.572,65.903 78.572,93.843 cw(c80.096,93.843) 80.096,95.367 124.927,95.367 cw(c124.927,93.843) 126.451,93.843 126.451,66.03 cw(c124.927,66.03) 124.927,64.506 79.969,64.506 ; 78.572,66.03 ccw(c80.096,66.03) 80.096,64.506

## Other copper
Top Layer:
  rectangle net 5VUSB: 84.65,82.25 87.36,82.83
  rectangle net 5VUSB: 84.65,77.44 87.37,78.03
  region net 3.3V: 109.26,81.85 109.84,81.61 109.84,81.45 109.26,81.31 109.22,81.31
  region net 3.3V: 111.42,77.08 111.42,75.36 111.98,74.8 111.98,71.15 112.82,71.15 112.83,71.14 112.83,74.81 112.02,75.62 112.02,77.08
  region net 3.3V: 110.64,78.05 109.65,78.05 107.25,75.65 106.67,75.65 106.67,74.22 106.74,74.15 110.04,77.45 110.64,77.45
  pour cut-out: 120.95,71.09 103.31,71.09 103.31,64.89 103.33,64.87 120.95,64.87
  region net 3.3V: 117.75,79.64 118.3,79.79 118.29,79.75 118.29,79.35 117.74,79.45
  pour cut-out: 103.3,73.71 103.26,73.75 88.19,73.75 88.19,64.88 103.3,64.88
Bottom Layer:
  region net Vbat: 83.03,75.137 83.03,73.37 82.61,73.13 81.91,73.13 81.48,73.56
  pour cut-out: 88.241,73.75 103.29,73.75 103.29,71.06 120.98,71.06 120.98,64.92 104.44,64.92 88.201,64.92

## Silkscreen, mask and mechanical layers (free items; w line width, h text height)
Top Overlay:
  text "RESET" at 97.88,94.292 h1
  text "BOOT" at 91.42,94.262 h1